# KiCad board Batch 1.kicad_pcb (continued)
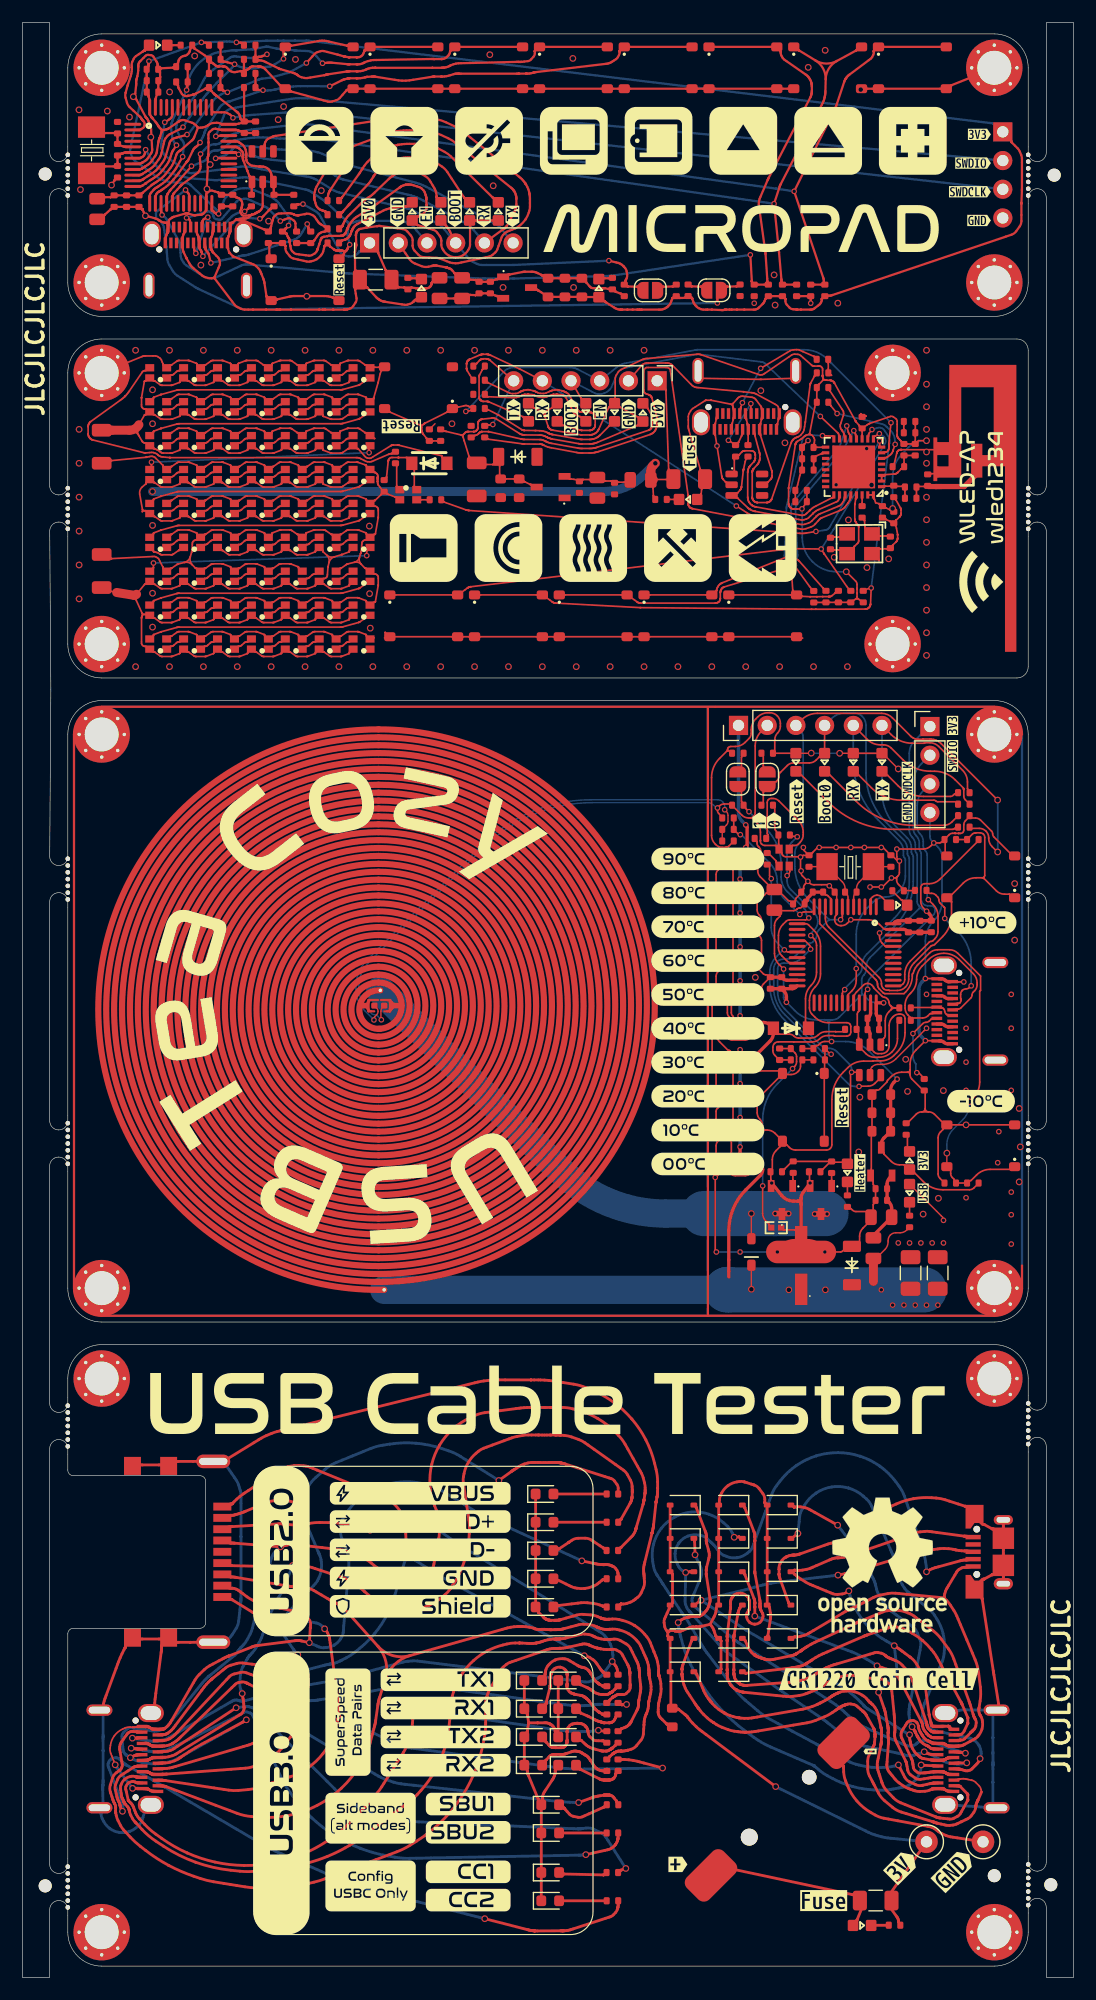
[diagram p0: board, top side]
## Routing (per net, layer and track width the routed paths; a pad name or vN(x,y) marks a point on that pad's centre or on a via; arc(x,y) is an arc through that point) (continued)
/Vol+: length 28.3
  Top w0.2: R4.2 17.51,170.83 arc(17.51,170.78) 17.52,170.73 17.52,170.02 arc(17.52,169.97) 17.52,169.92 17.52,169.86 arc(17.54,169.76) 17.61,169.68 17.78,169.54 arc(17.79,169.54) 17.79,169.54 arc(17.79,169.54) 17.79,169.54 17.83,169.54 arc(17.87,169.54) 17.91,169.53 17.99,169.52 arc(18.03,169.52) 18.07,169.51 v2(18.76,169.32) ; SW4.2 28.9,170.94 arc(28.85,170.95) 28.8,170.95 28.75,170.95 arc(28.74,170.95) 28.74,170.95 28.74,170.95 arc(28.73,170.95) 28.73,170.95 arc(28.73,170.95) 28.72,170.95 27.09,171.33 26.89,171.37 arc(26.8,171.39) 26.7,171.4 26.5,171.4 arc(26.4,171.4) 26.3,171.39 26.11,171.35 23.77,170.95 arc(23.77,170.95) 23.77,170.95 arc(23.76,170.95) 23.76,170.95 23.76,170.95 arc(23.75,170.95) 23.75,170.95 23.7,170.95 arc(23.65,170.95) 23.6,170.94 23.41,170.89 arc(23.27,170.82) 23.17,170.7 23.12,170.59 arc(23.1,170.55) 23.09,170.5 v2(23.09,169.8) ; U2.10 10.27,159.5 arc(10.36,159.51) 10.46,159.54 10.56,159.58 arc(10.56,159.59) 10.57,159.59 10.59,159.6 arc(10.6,159.6) 10.61,159.61 10.84,159.76 arc(10.86,159.77) 10.88,159.78 arc(10.9,159.8) 10.92,159.81 11.03,159.88 arc(11.05,159.89) 11.07,159.9 arc(11.09,159.92) 11.11,159.93 11.38,160.11 arc(11.45,160.16) 11.51,160.21 11.62,160.32 arc(11.67,160.38) 11.72,160.44 12.02,160.86 12.1,160.98 arc(12.14,161.03) 12.17,161.1 12.23,161.23 arc(12.25,161.29) 12.27,161.36 12.49,162.28 12.54,162.53 arc(12.58,162.64) 12.65,162.75 12.8,162.95 arc(12.89,163.04) 12.99,163.1 13.22,163.22 13.93,163.58 arc(13.95,163.59) 13.97,163.6 14.01,163.62 arc(14.03,163.63) 14.04,163.64 v2(14.2,163.75)
  Bottom w0.2: v2(14.2,163.75) 14.63,164.42 arc(14.68,164.5) 14.74,164.58 arc(14.79,164.65) 14.85,164.73 15.82,166.03 15.84,166.06 arc(15.86,166.08) 15.87,166.1 15.89,166.13 arc(15.9,166.15) 15.91,166.17 15.92,166.18 arc(15.92,166.18) 15.93,166.19 arc(15.93,166.19) 15.93,166.19 15.97,166.25 arc(16.01,166.32) 16.05,166.38 16.15,166.51 arc(16.19,166.57) 16.24,166.63 17.17,167.65 arc(17.2,167.68) 17.22,167.7 arc(17.25,167.73) 17.27,167.75 18.35,168.8 arc(18.41,168.87) 18.47,168.94 18.59,169.08 arc(18.65,169.15) 18.7,169.23 v2(18.76,169.32) 18.77,169.31 arc(18.77,169.31) 18.78,169.3 19.01,169.18 arc(19.25,169.08) 19.51,169.02 20.04,168.94 arc(20.31,168.93) 20.57,168.96 20.9,169.03 arc(20.95,169.04) 20.99,169.05 21.09,169.06 arc(21.14,169.06) 21.18,169.06 21.52,169.07 arc(21.57,169.07) 21.62,169.07 21.66,169.08 arc(21.67,169.08) 21.68,169.08 arc(21.69,169.08) 21.7,169.08 21.76,169.08 arc(21.83,169.09) 21.9,169.11 22.03,169.15 arc(22.1,169.18) 22.16,169.21 22.28,169.28 v2(23.09,169.8)
/Vol-: length 34.2
  Top w0.2: SW2.2 30.95,170.85 arc(30.76,170.82) 30.58,170.74 30.29,170.54 arc(30.29,170.54) 30.28,170.54 30.28,170.54 arc(30.28,170.54) 30.28,170.54 30.28,170.53 arc(30.28,170.53) 30.28,170.53 30.27,170.53 arc(30.27,170.53) 30.27,170.53 arc(30.27,170.53) 30.27,170.53 30.27,170.52 arc(30.27,170.52) 30.27,170.52 30.27,170.52 arc(30.27,170.52) 30.27,170.52 arc(30.27,170.52) 30.27,170.52 30.13,170.2 arc(30.1,170.14) 30.04,170.09 29.92,170 arc(29.85,169.96) 29.78,169.94 29.58,169.93 arc(29.58,169.93) 29.57,169.93 29.56,169.93 arc(29.56,169.93) 29.55,169.93 28.94,169.93 arc(28.93,169.93) 28.93,169.93 28.91,169.93 arc(28.9,169.93) 28.9,169.93 28.86,169.94 arc(28.85,169.94) 28.84,169.94 arc(28.83,169.94) 28.83,169.94 28.61,169.97 arc(28.59,169.98) 28.56,169.98 28.55,169.98 arc(28.54,169.99) 28.52,169.99 28.52,169.99 arc(28.51,169.99) 28.5,169.99 arc(28.49,170) 28.47,170 28.45,170 arc(28.44,170.01) 28.43,170.01 28.04,170.12 arc(27.99,170.14) 27.95,170.15 arc(27.9,170.16) 27.85,170.17 26.96,170.4 26.67,170.48 arc(26.52,170.5) 26.38,170.47 26.09,170.39 arc(25.96,170.33) 25.85,170.23 v2(25.12,169.42) ; v2(14.55,163.09) 14.53,163.08 arc(14.51,163.07) 14.49,163.06 14.45,163.05 arc(14.43,163.04) 14.41,163.03 13.75,162.86 arc(13.71,162.85) 13.67,162.84 arc(13.63,162.83) 13.59,162.81 13.35,162.74 arc(13.28,162.7) 13.22,162.66 13.1,162.54 arc(13.06,162.48) 13.03,162.41 12.66,161.15 arc(12.63,161.07) 12.6,161 12.53,160.85 arc(12.49,160.78) 12.44,160.71 12.34,160.58 12.04,160.16 arc(11.98,160.09) 11.91,160.02 11.78,159.89 arc(11.71,159.83) 11.64,159.78 11.36,159.59 arc(11.33,159.57) 11.3,159.55 arc(11.27,159.53) 11.24,159.51 11.15,159.46 arc(11.13,159.44) 11.1,159.43 arc(11.08,159.41) 11.05,159.39 10.76,159.21 arc(10.73,159.18) 10.69,159.16 10.66,159.13 arc(10.65,159.13) 10.65,159.13 arc(10.64,159.12) 10.63,159.12 10.63,159.11 arc(10.61,159.1) 10.6,159.1 10.57,159.08 arc(10.56,159.07) 10.54,159.07 10.45,159.03 arc(10.36,159.01) 10.28,159 U2.11 ; v2(18.13,166.83) 17.76,166.99 arc(17.76,166.99) 17.76,166.99 arc(17.76,166.99) 17.76,166.99 arc(17.76,166.99) 17.75,166.99 17.59,167.17 arc(17.53,167.26) 17.51,167.36 C5.1
  Bottom w0.2: v2(14.55,163.09) 14.59,163.12 arc(14.63,163.14) 14.66,163.16 14.72,163.21 arc(14.74,163.24) 14.77,163.27 14.82,163.33 16.64,165.78 16.89,166.12 arc(17.03,166.27) 17.19,166.4 17.54,166.63 arc(17.72,166.72) 17.91,166.78 18.11,166.83 arc(18.12,166.83) 18.12,166.83 v2(18.13,166.83) 20.86,167.95 20.92,167.97 arc(20.95,167.98) 20.98,167.99 21.05,168.01 arc(21.08,168.02) 21.11,168.02 21.87,168.13 21.94,168.14 arc(21.98,168.14) 22.01,168.15 22.08,168.16 arc(22.12,168.17) 22.15,168.18 22.22,168.2 23.41,168.53 23.48,168.55 arc(23.52,168.56) 23.55,168.58 23.62,168.6 arc(23.65,168.62) 23.69,168.64 v2(25.12,169.42)
/XIN: length 3.5
  Top w0.15: C53.2 76.59,127.56 arc(76.55,127.57) 76.52,127.57 75.84,127.57 arc(75.8,127.57) 75.76,127.58 75.49,127.66 arc(75.19,127.78) 74.92,127.96 74.58,128.25 arc(74.56,128.28) 74.55,128.31 arc(74.55,128.35) 74.55,128.39 74.51,128.92 arc(74.51,128.92) 74.51,128.92 74.51,128.92 arc(74.51,128.92) 74.51,128.93 R36.2
/XOUT: length 7.2
  Top w0.15: C43.1 71.71,126.34 arc(71.75,126.33) 71.78,126.33 72.31,126.33 arc(72.35,126.33) 72.38,126.31 72.66,126.16 arc(72.96,126.11) 73.24,126.23 73.57,126.5 arc(73.59,126.53) 73.6,126.56 73.6,126.61 arc(73.6,126.61) 73.6,126.62 73.61,126.64 arc(73.61,126.64) 73.62,126.65 73.92,126.93 arc(73.94,126.96) 73.96,126.99 73.98,127.05 arc(73.99,127.08) 74,127.11 74,127.18 74,128.38 arc(74,128.4) 73.99,128.43 73.97,128.48 arc(73.96,128.51) 73.95,128.53 73.77,128.76 arc(73.76,128.76) 73.76,128.76 arc(73.76,128.76) 73.76,128.77 73.75,128.77 arc(73.75,128.77) 73.75,128.78 arc(73.75,128.78) 73.75,128.78 73.73,128.81 arc(73.72,128.82) 73.71,128.84 arc(73.7,128.85) 73.7,128.86 73.68,128.89 arc(73.68,128.91) 73.67,128.92 73.67,128.96 arc(73.67,128.97) 73.67,128.97 73.66,128.98 arc(73.66,128.99) 73.66,129 arc(73.66,129.01) 73.66,129.02 73.66,129.03 arc(73.65,129.04) 73.65,129.05 73.65,130.35 arc(73.65,130.36) 73.66,130.37 73.66,130.38 arc(73.66,130.39) 73.66,130.39 arc(73.66,130.4) 73.66,130.41 73.73,130.82 arc(73.73,130.83) 73.73,130.83 arc(73.73,130.84) 73.73,130.84 73.73,130.86 arc(73.73,130.86) 73.73,130.87 73.73,130.91 arc(73.74,130.95) 73.74,130.99 U4.29
Net-(AE1-A): length 2
  Top w0.15: C51.1 79.89,131.96 arc(79.85,131.95) 79.82,131.95 79.34,131.95 arc(79.31,131.95) 79.27,131.94 79.21,131.93 arc(79.14,131.88) 79.11,131.8 L2.1
Net-(B1-+): length 12.2
  Top w0.25: 73.85,5.09 73.85,5.1 arc(73.85,5.1) 73.85,5.1 arc(73.86,5.1) 73.86,5.1 74.27,6.1 arc(74.27,6.1) 74.27,6.1 74.27,6.11 arc(74.27,6.11) 74.27,6.11 ; 63.23,9.5 73.41,7.33 73.58,7.3 arc(73.64,7.28) 73.7,7.26 73.82,7.23 arc(73.88,7.21) 73.93,7.18 73.99,7.16 arc(73.99,7.16) 73.99,7.16 74.01,7.15 arc(74.01,7.15) 74.02,7.14 74.03,7.14 arc(74.03,7.14) 74.04,7.14 74.05,7.13 arc(74.06,7.13) 74.07,7.13 74.07,7.13
Net-(C55-Pad1): length 4.7
  Top w0.15: L4.2 78.1,134.69 arc(78.03,134.66) 78,134.59 78.01,134.53 arc(78.01,134.49) 78.01,134.46 78.01,133.98 arc(78.01,133.95) 78.01,133.91 78.02,133.82 arc(77.99,133.71) 77.92,133.62 77.75,133.49 arc(77.75,133.49) 77.75,133.49 77.75,133.49 arc(77.75,133.49) 77.75,133.49 77.75,133.49 arc(77.75,133.49) 77.74,133.48 arc(77.74,133.48) 77.74,133.48 arc(77.74,133.48) 77.74,133.48 77.74,133.48 arc(77.74,133.48) 77.73,133.48 77.47,133.2 arc(77.47,133.19) 77.46,133.19 arc(77.45,133.18) 77.45,133.18 77.43,133.16 arc(77.43,133.16) 77.42,133.15 arc(77.41,133.15) 77.4,133.14 77.38,133.13 arc(77.37,133.12) 77.35,133.11 arc(77.34,133.1) 77.33,133.1 77.3,133.08 arc(77.28,133.08) 77.27,133.07 77.2,133.06 arc(77.2,133.06) 77.19,133.06 arc(77.19,133.06) 77.18,133.06 77.17,133.06 arc(77.17,133.06) 77.17,133.06 arc(77.16,133.06) 77.16,133.06 76.36,132.99 arc(76.36,132.99) 76.36,132.99 arc(76.35,132.99) 76.35,132.99 76.32,132.99 arc(76.28,132.99) 76.24,132.98 76.06,132.94 arc(76.04,132.92) 76.03,132.89 U4.2
Net-(D1-A): length 51.6
  Top w0.127: v1(64.5,67.6) D2.2
  Top w0.5: v2(70.1,67.56) v2(71.2,67.56) ; v2(66.6,67.6) v2(67.8,67.6)
  Bottom w2.5: HC1.2 47.52,71.49 arc(51.83,68.61) 56.91,67.6 60.3,67.6
  Bottom w4: 60.3,67.6 v1(64.5,67.6) v2(66.6,67.6) 71.1,67.6
Net-(D1-K): length 28.1
  Top w0.25: v1(72.14,40.02) 69.6,41.44 arc(69.43,41.52) 69.25,41.57 68.87,41.64 arc(68.69,41.66) 68.5,41.65 68.3,41.62 arc(68.29,41.62) 68.29,41.62 arc(68.29,41.62) 68.29,41.62 68.29,41.62 arc(68.28,41.62) 68.28,41.62 arc(68.28,41.63) 68.28,41.63 ; J12.A8 80.74,20.23 arc(80.67,20.23) 80.61,20.23 80.52,20.23 arc(80.5,20.24) 80.47,20.24 80.42,20.26 arc(80.4,20.27) 80.37,20.28 80.15,20.46 arc(80.13,20.47) 80.11,20.48 80.08,20.5 arc(80.06,20.51) 80.04,20.52 80.03,20.52 arc(80.02,20.52) 80.02,20.53 arc(80.01,20.53) 80.01,20.53 79.9,20.57 arc(79.8,20.62) 79.71,20.69 79.53,20.85 arc(79.44,20.93) 79.38,21.02 79.22,21.29 arc(79.21,21.3) 79.2,21.32 79.19,21.34 arc(79.18,21.36) 79.17,21.37 79.06,21.6 arc(79.05,21.63) 79.03,21.66 79.02,21.68 arc(79.02,21.69) 79.02,21.7 arc(79.02,21.7) 79.01,21.71 79.01,21.71 arc(79.01,21.72) 79,21.74 78.99,21.76 arc(78.98,21.77) 78.97,21.78 78.96,21.8 arc(78.96,21.81) 78.95,21.82 78.92,21.86 arc(78.89,21.91) 78.86,21.96 v1(78.72,22.18)
  Bottom w0.25: v1(78.72,22.18) 78.72,22.19 arc(78.71,22.2) 78.71,22.21 78.65,22.34 arc(78.59,22.48) 78.55,22.63 78.48,22.93 arc(78.46,23.08) 78.45,23.24 78.45,23.44 arc(78.45,23.49) 78.45,23.55 78.46,23.65 arc(78.46,23.7) 78.47,23.75 78.47,23.79 arc(78.47,23.8) 78.48,23.8 arc(78.48,23.81) 78.48,23.81 78.48,23.85 arc(78.49,23.89) 78.49,23.93 78.5,24.01 arc(78.51,24.05) 78.52,24.09 78.54,24.22 79.29,28.27 79.48,29.26 arc(79.49,29.59) 79.42,29.9 79.17,30.53 arc(79,30.81) 78.77,31.04 77.92,31.65 76.94,32.36 arc(76.63,32.62) 76.37,32.94 75.91,33.62 arc(75.71,33.98) 75.58,34.36 75.48,34.75 arc(75.48,34.76) 75.48,34.78 75.46,34.85 arc(75.44,34.91) 75.42,34.97 75.38,35.09 arc(75.35,35.15) 75.33,35.21 75.25,35.37 74.54,36.83 arc(74.51,36.89) 74.47,36.95 74.4,37.06 arc(74.36,37.12) 74.32,37.17 74.2,37.34 v1(72.14,40.02)
Net-(D2-A): length 6
  Top w0.25: 46.32,19.22 46.32,19.22 arc(46.32,19.22) 46.33,19.22 46.68,19.6 arc(46.72,19.64) 46.77,19.67 46.88,19.71 arc(46.93,19.73) 46.99,19.73 47.06,19.73 arc(47.06,19.73) 47.07,19.73 47.08,19.73 arc(47.1,19.73) 47.11,19.73 47.13,19.73 arc(47.14,19.73) 47.15,19.73 47.16,19.73 arc(47.16,19.73) 47.17,19.73 47.18,19.73 arc(47.19,19.73) 47.19,19.73 47.62,19.73 arc(47.62,19.73) 47.63,19.73 47.64,19.73 arc(47.65,19.73) 47.65,19.73 47.66,19.73 arc(47.67,19.73) 47.68,19.73 47.76,19.73 arc(47.8,19.73) 47.85,19.74 47.94,19.75 arc(47.98,19.76) 48.02,19.78 48.15,19.82 48.68,20 arc(48.72,20.02) 48.77,20.02 48.87,20.03 arc(48.92,20.03) 48.97,20.03 49.23,19.98 arc(49.27,19.98) 49.31,19.96 49.38,19.93 arc(49.42,19.92) 49.45,19.9 49.54,19.84 arc(49.59,19.81) 49.64,19.78 49.68,19.75 arc(49.73,19.72) 49.79,19.69 49.88,19.63 arc(49.92,19.61) 49.95,19.58 50.02,19.52 arc(50.05,19.49) 50.08,19.46 50.24,19.25 arc(50.24,19.24) 50.25,19.23 50.26,19.21 arc(50.27,19.21) 50.27,19.2 50.57,18.72 arc(50.61,18.67) 50.64,18.63 50.72,18.55 arc(50.76,18.52) 50.8,18.49 50.95,18.39 arc(50.99,18.37) 51.03,18.35 51.12,18.32 arc(51.17,18.3) 51.21,18.3 51.38,18.27
Net-(D3-A): length 3.6
  Top w0.25: 49.38,18.41 49.38,18.41 arc(49.38,18.4) 49.38,18.4 49.38,18.4 arc(49.38,18.4) 49.38,18.4 51.05,17.57 51.13,17.53 arc(51.16,17.52) 51.18,17.51 51.24,17.49 arc(51.26,17.49) 51.29,17.48 51.42,17.47 arc(51.43,17.47) 51.45,17.47 51.45,17.47 arc(51.46,17.47) 51.48,17.47 51.49,17.46 arc(51.5,17.46) 51.5,17.46 51.51,17.46 arc(51.52,17.46) 51.52,17.46 arc(51.53,17.46) 51.53,17.46 arc(51.54,17.46) 51.54,17.46 51.56,17.46 arc(51.58,17.46) 51.6,17.46 51.64,17.46 arc(51.64,17.46) 51.64,17.46 arc(51.65,17.46) 51.65,17.46 51.69,17.46 arc(51.7,17.46) 51.7,17.46 arc(51.71,17.46) 51.72,17.46 51.76,17.46 arc(51.76,17.46) 51.76,17.46 arc(51.77,17.46) 51.77,17.46 51.8,17.46 arc(51.82,17.46) 51.85,17.46 51.86,17.46 arc(51.87,17.46) 51.87,17.46 arc(51.88,17.46) 51.88,17.46 arc(51.89,17.46) 51.89,17.46 51.9,17.46 arc(51.91,17.46) 51.91,17.46 51.98,17.47 arc(52.02,17.47) 52.05,17.48 52.12,17.51 arc(52.16,17.52) 52.19,17.54 52.31,17.62 arc(52.36,17.66) 52.39,17.71 52.45,17.82 arc(52.48,17.87) 52.49,17.93 52.49,17.99 arc(52.49,17.99) 52.49,18 52.49,18 arc(52.49,18) 52.49,18 arc(52.49,18.01) 52.49,18.01
Net-(D4-A): length 4
  Top w0.25: 51.42,42.78 47.42,42.78
Net-(D5-K): length 27
  Top w0.25: 64,26.92 64.01,26.92 arc(64.01,26.92) 64.01,26.92 68.02,27.39 68.09,27.39 arc(68.12,27.4) 68.14,27.4 68.19,27.41 arc(68.21,27.41) 68.24,27.42 68.73,27.51 arc(68.82,27.54) 68.9,27.56 69.06,27.62 arc(69.15,27.66) 69.23,27.7 69.29,27.73 arc(69.3,27.74) 69.31,27.74 arc(69.32,27.75) 69.33,27.75 69.34,27.76 arc(69.36,27.77) 69.38,27.78 69.42,27.8 arc(69.43,27.81) 69.45,27.82 69.66,27.96 arc(69.7,27.99) 69.74,28.01 69.78,28.04 arc(69.78,28.04) 69.79,28.05 69.93,28.14 arc(70.06,28.23) 70.2,28.31 70.48,28.47 arc(70.62,28.54) 70.76,28.61 71.2,28.8 74.44,30.19 74.52,30.22 arc(74.54,30.23) 74.57,30.24 74.63,30.26 arc(74.65,30.27) 74.68,30.28 74.77,30.31 76.36,30.84 76.74,30.97 arc(76.88,31.01) 77.01,31.02 77.28,31.02 arc(77.42,31.01) 77.55,30.97 77.67,30.93 arc(77.68,30.93) 77.68,30.93 arc(77.69,30.92) 77.7,30.92 77.96,30.83 arc(78.22,30.73) 78.47,30.6 78.72,30.46 arc(79.2,30.16) 79.64,29.82 arc(80.06,29.44) 80.43,29.01 80.61,28.8 arc(80.78,28.57) 80.92,28.33 81.32,27.58 83.04,24.38 83.07,24.32 arc(83.08,24.3) 83.09,24.28 83.11,24.24 arc(83.12,24.22) 83.13,24.2 83.64,23.01 arc(83.64,23) 83.65,23 arc(83.65,22.99) 83.65,22.98 83.65,22.97 arc(83.65,22.97) 83.65,22.96 83.65,22.51 arc(83.65,22.5) 83.65,22.49 83.65,22.48 arc(83.65,22.47) 83.65,22.47 83.33,21.8 arc(83.23,21.64) 83.09,21.52 arc(83.03,21.49) 82.96,21.48 82.84,21.48 arc(82.77,21.48) 82.71,21.48 J12.B2
Net-(D6-K): length 37.1
  Top w0.25: 59.66,26.85 59.66,26.84 arc(59.66,26.84) 59.66,26.84 arc(59.66,26.84) 59.66,26.84 60.3,25.33 arc(60.35,25.23) 60.41,25.12 60.53,24.92 arc(60.59,24.82) 60.66,24.72 60.73,24.64 arc(60.74,24.63) 60.74,24.62 arc(60.75,24.61) 60.76,24.6 60.78,24.57 arc(60.79,24.56) 60.79,24.56 arc(60.79,24.56) 60.8,24.55 60.81,24.53 arc(60.83,24.51) 60.85,24.48 60.87,24.46 arc(60.89,24.44) 60.91,24.41 60.92,24.39 arc(60.93,24.39) 60.93,24.38 arc(60.94,24.37) 60.94,24.37 61.05,24.23 arc(61.18,24.09) 61.32,23.96 61.61,23.72 arc(61.76,23.61) 61.92,23.51 62.08,23.42 arc(62.09,23.42) 62.09,23.42 arc(62.09,23.42) 62.09,23.42 62.11,23.41 arc(62.11,23.41) 62.11,23.41 arc(62.11,23.4) 62.11,23.4 62.26,23.32 arc(62.42,23.25) 62.58,23.19 62.9,23.08 arc(63.07,23.03) 63.23,23 63.57,22.95 arc(63.73,22.93) 63.89,22.93 64.21,22.93 arc(64.37,22.94) 64.53,22.96 68.41,23.63 69.06,23.74 arc(69.27,23.79) 69.48,23.84 69.89,23.98 arc(70.1,24.05) 70.3,24.14 70.81,24.39 arc(70.91,24.44) 71.01,24.5 71.2,24.61 arc(71.3,24.67) 71.39,24.73 71.62,24.89 arc(71.64,24.9) 71.66,24.91 71.7,24.94 arc(71.72,24.95) 71.74,24.96 71.87,25.03 arc(71.9,25.05) 71.93,25.07 71.99,25.1 arc(72.03,25.11) 72.06,25.13 72.34,25.25 arc(72.52,25.3) 72.7,25.33 72.89,25.34 arc(73.25,25.34) 73.62,25.28 arc(73.97,25.16) 74.29,24.99 74.45,24.89 arc(74.59,24.78) 74.72,24.64 74.83,24.51 arc(74.84,24.5) 74.84,24.49 arc(74.85,24.49) 74.85,24.48 74.86,24.47 arc(74.88,24.45) 74.9,24.43 74.94,24.39 arc(74.96,24.37) 74.98,24.35 75.01,24.33 arc(75.01,24.33) 75.01,24.33 75.02,24.32 arc(75.03,24.31) 75.04,24.3 75.24,24.13 arc(75.34,24.02) 75.43,23.9 75.59,23.64 arc(75.65,23.5) 75.7,23.36 75.94,22.25 arc(75.96,22.2) 75.97,22.15 75.98,22.11 arc(75.98,22.1) 75.98,22.09 75.99,22.05 arc(75.99,22.04) 76,22.02 76,21.98 arc(76.01,21.97) 76.01,21.95 76.02,21.83 arc(76.03,21.8) 76.03,21.78 76.03,21.73 arc(76.03,21.7) 76.03,21.68 76.02,21.65 arc(76.02,21.65) 76.02,21.65 arc(76.02,21.64) 76.02,21.64 76.02,21.62 arc(76.02,21.6) 76.02,21.57 76.02,21.53 arc(76.02,21.5) 76.02,21.48 76.02,21.35 arc(76.02,21.33) 76.02,21.3 arc(76.02,21.27) 76.02,21.24 76,20.82 arc(76,20.8) 75.99,20.78 75.99,20.74 arc(75.99,20.72) 75.98,20.7 75.96,20.58 arc(75.96,20.58) 75.96,20.57 arc(75.96,20.57) 75.96,20.56 75.73,19.4 75.66,19.04 arc(75.64,18.92) 75.64,18.8 75.65,18.56 arc(75.67,18.44) 75.7,18.33 75.87,17.82 76.07,17.22 arc(76.24,16.84) 76.48,16.52 77.06,15.91 arc(77.37,15.64) 77.73,15.45 78.89,14.98 80.79,14.22 80.9,14.17 arc(80.94,14.16) 80.98,14.15 81.05,14.13 arc(81.09,14.12) 81.13,14.12 82.05,14.01 arc(82.23,14.02) 82.4,14.08 82.74,14.25 arc(82.89,14.36) 83,14.5 83.27,15 83.64,15.66 arc(83.65,15.67) 83.65,15.67 83.65,15.69 arc(83.65,15.7) 83.65,15.71 83.65,16.16 arc(83.65,16.18) 83.65,16.19 83.64,16.21 arc(83.64,16.22) 83.63,16.23 82.98,16.9 arc(82.97,16.91) 82.96,16.92 82.94,16.93 arc(82.92,16.93) 82.91,16.93 82.84,16.93 arc(82.77,16.93) 82.71,16.94 J12.B11
Net-(D7-K): length 41.2
  Top w0.25: J12.B8 82.71,18.44 arc(82.77,18.43) 82.84,18.43 82.91,18.43 arc(82.93,18.43) 82.95,18.43 82.98,18.43 arc(82.99,18.42) 83.01,18.42 83.45,18.29 arc(83.55,18.27) 83.64,18.29 83.83,18.33 arc(83.91,18.37) 83.99,18.43 84.48,18.92 arc(84.53,18.97) 84.57,19.03 84.65,19.15 arc(84.68,19.22) 84.71,19.28 84.73,19.34 arc(84.74,19.35) 84.74,19.36 v1(84.74,19.36) ; v1(68.62,39.29) 68.28,39.02
  Bottom w0.25: v1(84.74,19.36) 84.8,19.52 arc(84.83,19.66) 84.83,19.81 84.82,19.96 arc(84.77,20.24) 84.65,20.52 arc(84.48,20.76) 84.27,20.95 84.15,21.04 arc(84.02,21.12) 83.88,21.16 81.52,21.67 80.67,21.85 arc(80.42,21.96) 80.21,22.14 79.84,22.59 arc(79.71,22.83) 79.66,23.1 79.66,23.51 arc(79.67,23.63) 79.68,23.74 79.73,23.97 arc(79.76,24.08) 79.8,24.19 79.94,24.52 80.97,26.96 81.39,27.96 arc(81.5,28.3) 81.55,28.65 81.58,29.01 arc(81.58,29.72) 81.47,30.43 arc(81.24,31.11) 80.91,31.74 80.71,32.04 arc(80.5,32.33) 80.24,32.58 79.4,33.26 78.77,33.78 78.32,34.15 arc(78.18,34.28) 78.06,34.43 77.85,34.76 arc(77.76,34.93) 77.7,35.12 77.65,35.32 arc(77.65,35.34) 77.64,35.35 77.61,35.46 arc(77.58,35.58) 77.54,35.7 77.15,36.98 77.08,37.19 arc(77.06,37.26) 77.04,37.33 76.98,37.47 arc(76.96,37.54) 76.93,37.6 76.84,37.8 75.12,41.74 arc(74.94,42.07) 74.68,42.34 74.4,42.59 arc(73.79,43.02) 73.09,43.31 arc(72.36,43.44) 71.61,43.41 arc(70.89,43.21) 70.23,42.86 arc(69.65,42.38) 69.2,41.79 69,41.46 arc(68.85,41.12) 68.77,40.75 v1(68.62,39.29)
Net-(D8-A): length 7.7
  Top w0.25: 51.39,20.93 51.38,20.93 arc(51.38,20.93) 51.38,20.93 50.76,20.95 arc(50.61,20.98) 50.47,21.07 50.21,21.29 arc(50.11,21.42) 50.06,21.57 50.02,21.87 arc(50.01,21.93) 49.99,21.98 49.94,22.08 arc(49.91,22.13) 49.88,22.17 49.77,22.28 arc(49.73,22.32) 49.67,22.36 49.57,22.41 arc(49.51,22.44) 49.45,22.45 49.33,22.47 arc(49.3,22.47) 49.28,22.48 arc(49.26,22.48) 49.23,22.48 49.11,22.49 arc(49.08,22.49) 49.05,22.49 49,22.49 arc(48.98,22.48) 48.95,22.48 48.62,22.41 arc(48.51,22.37) 48.43,22.29 48.27,22.1 arc(48.21,22) 48.19,21.88 48.19,21.77 arc(48.19,21.76) 48.19,21.75 48.19,21.74 arc(48.19,21.74) 48.19,21.73 arc(48.19,21.73) 48.19,21.73 48.19,21.72 arc(48.19,21.72) 48.19,21.71 48.19,20.98 arc(48.19,20.98) 48.19,20.97 48.19,20.96 arc(48.19,20.96) 48.19,20.96 arc(48.19,20.95) 48.19,20.95 48.19,20.91 arc(48.19,20.91) 48.19,20.91 arc(48.19,20.9) 48.19,20.9 48.18,20.83 arc(48.18,20.83) 48.18,20.82 48.17,20.71 arc(48.15,20.66) 48.13,20.61 48.06,20.51 arc(48.03,20.47) 47.98,20.44 47.87,20.38 arc(47.85,20.37) 47.83,20.36 47.78,20.35 arc(47.75,20.34) 47.73,20.34 47.67,20.33 arc(47.66,20.33) 47.64,20.33 arc(47.62,20.33) 47.61,20.33 47.2,20.33 arc(47.19,20.33) 47.17,20.33 arc(47.15,20.33) 47.14,20.33 47.12,20.33 arc(47.11,20.34) 47.11,20.34 arc(47.1,20.34) 47.1,20.34 47,20.34 arc(46.98,20.35) 46.97,20.35 arc(46.95,20.35) 46.94,20.35 46.9,20.36 arc(46.89,20.36) 46.87,20.37 46.79,20.4 arc(46.76,20.41) 46.73,20.43 46.67,20.47 arc(46.65,20.49) 46.62,20.51 46.32,20.84 arc(46.32,20.84) 46.32,20.84 46.32,20.84 arc(46.32,20.85) 46.32,20.85
Net-(D9-K): length 57.1
  Top w0.25: v1(73.13,34.2) 72.93,34.07 arc(72.75,33.98) 72.55,33.93 72.12,33.89 arc(71.91,33.9) 71.71,33.95 71.12,34.19 69.71,34.78 arc(69.49,34.88) 69.29,35 68.88,35.25 arc(68.68,35.38) 68.5,35.54 68.28,35.73 ; v1(75.76,25.23) 76.24,23.83 76.29,23.69 arc(76.3,23.64) 76.32,23.59 76.34,23.49 arc(76.35,23.45) 76.36,23.4 76.39,23.25 76.5,22.65 arc(76.52,22.54) 76.54,22.43 76.56,22.34 arc(76.56,22.33) 76.56,22.31 76.57,22.27 arc(76.58,22.24) 76.58,22.21 76.59,22.15 arc(76.6,22.12) 76.6,22.09 76.61,21.96 arc(76.61,21.92) 76.61,21.88 76.61,21.8 arc(76.61,21.76) 76.61,21.72 76.6,21.6 arc(76.6,21.54) 76.59,21.48 76.6,21.37 arc(76.6,21.31) 76.61,21.25 76.62,21.2 arc(76.62,21.19) 76.62,21.19 arc(76.62,21.18) 76.62,21.18 76.63,21.13 arc(76.63,21.08) 76.64,21.03 76.64,20.92 arc(76.64,20.87) 76.64,20.82 76.63,20.66 76.49,18.78 arc(76.49,18.68) 76.51,18.59 76.57,18.4 arc(76.61,18.31) 76.66,18.23 77.21,17.55 arc(77.38,17.37) 77.57,17.21 77.98,16.93 arc(78.19,16.8) 78.42,16.71 78.97,16.52 arc(79.19,16.46) 79.41,16.45 79.85,16.47 arc(80.07,16.5) 80.28,16.57 80.47,16.66 arc(80.48,16.66) 80.49,16.67 80.49,16.67 arc(80.5,16.67) 80.5,16.68 arc(80.51,16.68) 80.52,16.68 80.53,16.68 arc(80.54,16.68) 80.54,16.68 80.61,16.68 arc(80.67,16.68) 80.74,16.69 80.85,16.7 arc(81.02,16.7) 81.2,16.7 81.31,16.69 arc(81.37,16.68) 81.44,16.68 81.49,16.68 arc(81.5,16.68) 81.51,16.68 arc(81.52,16.68) 81.53,16.68 81.54,16.68 arc(81.55,16.67) 81.56,16.67 81.8,16.52 arc(81.82,16.51) 81.84,16.5 81.88,16.49 arc(81.9,16.48) 81.93,16.48 82.01,16.48 arc(82.07,16.48) 82.14,16.48 J12.B12 ; v1(77.14,29.36) 77.23,29.3 arc(77.3,29.26) 77.37,29.21 77.49,29.13 arc(77.56,29.08) 77.62,29.04 78.58,28.32 arc(78.89,28.04) 79.13,27.71 79.56,26.99 arc(79.73,26.61) 79.83,26.21 80,24.96 80.23,23.27 80.24,23.24 arc(80.24,23.22) 80.24,23.21 80.25,23.19 arc(80.25,23.17) 80.25,23.16 arc(80.25,23.15) 80.26,23.14 80.38,22.62 80.39,22.54 arc(80.4,22.52) 80.4,22.49 80.41,22.44 arc(80.42,22.41) 80.42,22.39 80.42,22.37 arc(80.42,22.36) 80.42,22.35 arc(80.42,22.35) 80.43,22.34 80.43,22.32 arc(80.43,22.3) 80.45,22.28 80.48,22.25 arc(80.5,22.24) 80.53,22.23 80.61,22.23 arc(80.67,22.23) 80.74,22.23 80.85,22.22 arc(81.02,22.21) 81.2,22.22 81.31,22.23 arc(81.37,22.23) 81.44,22.23 81.86,22.23 arc(81.88,22.23) 81.91,22.23 81.93,22.23 arc(81.94,22.23) 81.94,22.23 arc(81.94,22.23) 81.95,22.23 81.97,22.23 arc(81.99,22.23) 82.02,22.22 82.05,22.18 arc(82.07,22.16) 82.07,22.14 82.07,22.05 arc(82.09,22) 82.14,21.98 J12.B1 ; J10.5 83.64,39.03 arc(83.57,39.04) 83.51,39.04 83.44,39.04 arc(83.42,39.04) 83.41,39.04 83.38,39.04 arc(83.37,39.05) 83.36,39.05 83.32,39.05 80.89,39.38 80.27,39.46 arc(80.06,39.48) 79.86,39.47 79.44,39.43 arc(79.23,39.4) 79.03,39.34 78.44,39.14 73.3,37.37 72.97,37.25 arc(72.86,37.22) 72.74,37.19 72.52,37.16 arc(72.4,37.14) 72.29,37.13 72.07,37.13 arc(71.99,37.13) 71.92,37.11 71.77,37.08 arc(71.69,37.06) 71.62,37.04 71.41,36.95 69.74,36.22 arc(69.57,36.16) 69.39,36.11 69.02,36.05 arc(68.84,36.02) 68.65,36.02 68.45,36.03 arc(68.43,36.03) 68.41,36.03 68.37,36.03 arc(68.35,36.03) 68.33,36.03 68.3,36.03 arc(68.3,36.03) 68.3,36.03 arc(68.3,36.03) 68.3,36.03
  Bottom w0.25: v1(75.76,25.23) 76.86,26.38 77,26.52 arc(77.11,26.67) 77.19,26.84 77.32,27.21 arc(77.36,27.4) 77.36,27.59 77.29,28.17 v1(77.14,29.36) 76.07,30 arc(75.78,30.19) 75.51,30.41 75.25,30.65 arc(74.76,31.14) 74.32,31.68 arc(73.93,32.25) 73.6,32.87 73.45,33.18 arc(73.32,33.5) 73.22,33.84 v1(73.13,34.2)
Net-(D10-A): length 3.5
  Top w0.25: 52.49,23.01 52.49,23 arc(52.49,23) 52.49,23 52.49,23 arc(52.49,23) 52.49,23 52.36,22.76 arc(52.34,22.72) 52.31,22.69 52.23,22.63 arc(52.19,22.6) 52.15,22.58 52.07,22.56 arc(52.05,22.55) 52.04,22.55 arc(52.02,22.54) 52,22.54 51.97,22.53 arc(51.95,22.53) 51.93,22.53 51.48,22.53 arc(51.46,22.53) 51.45,22.53 51.42,22.54 arc(51.4,22.54) 51.39,22.54 51.36,22.55 arc(51.35,22.55) 51.34,22.55 arc(51.33,22.56) 51.32,22.56 51.3,22.57 arc(51.29,22.57) 51.29,22.57 51.27,22.58 arc(51.27,22.58) 51.26,22.58 51.25,22.59 arc(51.24,22.59) 51.23,22.6 51.2,22.61 arc(51.19,22.61) 51.17,22.62 50.97,22.67 arc(50.93,22.68) 50.9,22.69 50.82,22.72 arc(50.78,22.74) 50.75,22.75 50.64,22.81 50.11,23.08 arc(50.07,23.1) 50.03,23.12 arc(49.99,23.14) 49.94,23.16 49.39,23.4 arc(49.39,23.4) 49.38,23.4 49.38,23.4 arc(49.38,23.4) 49.38,23.41 49.38,23.41
